# EAGLE board working (EAGLE 7.5.0), part 3 of 8 (continued)
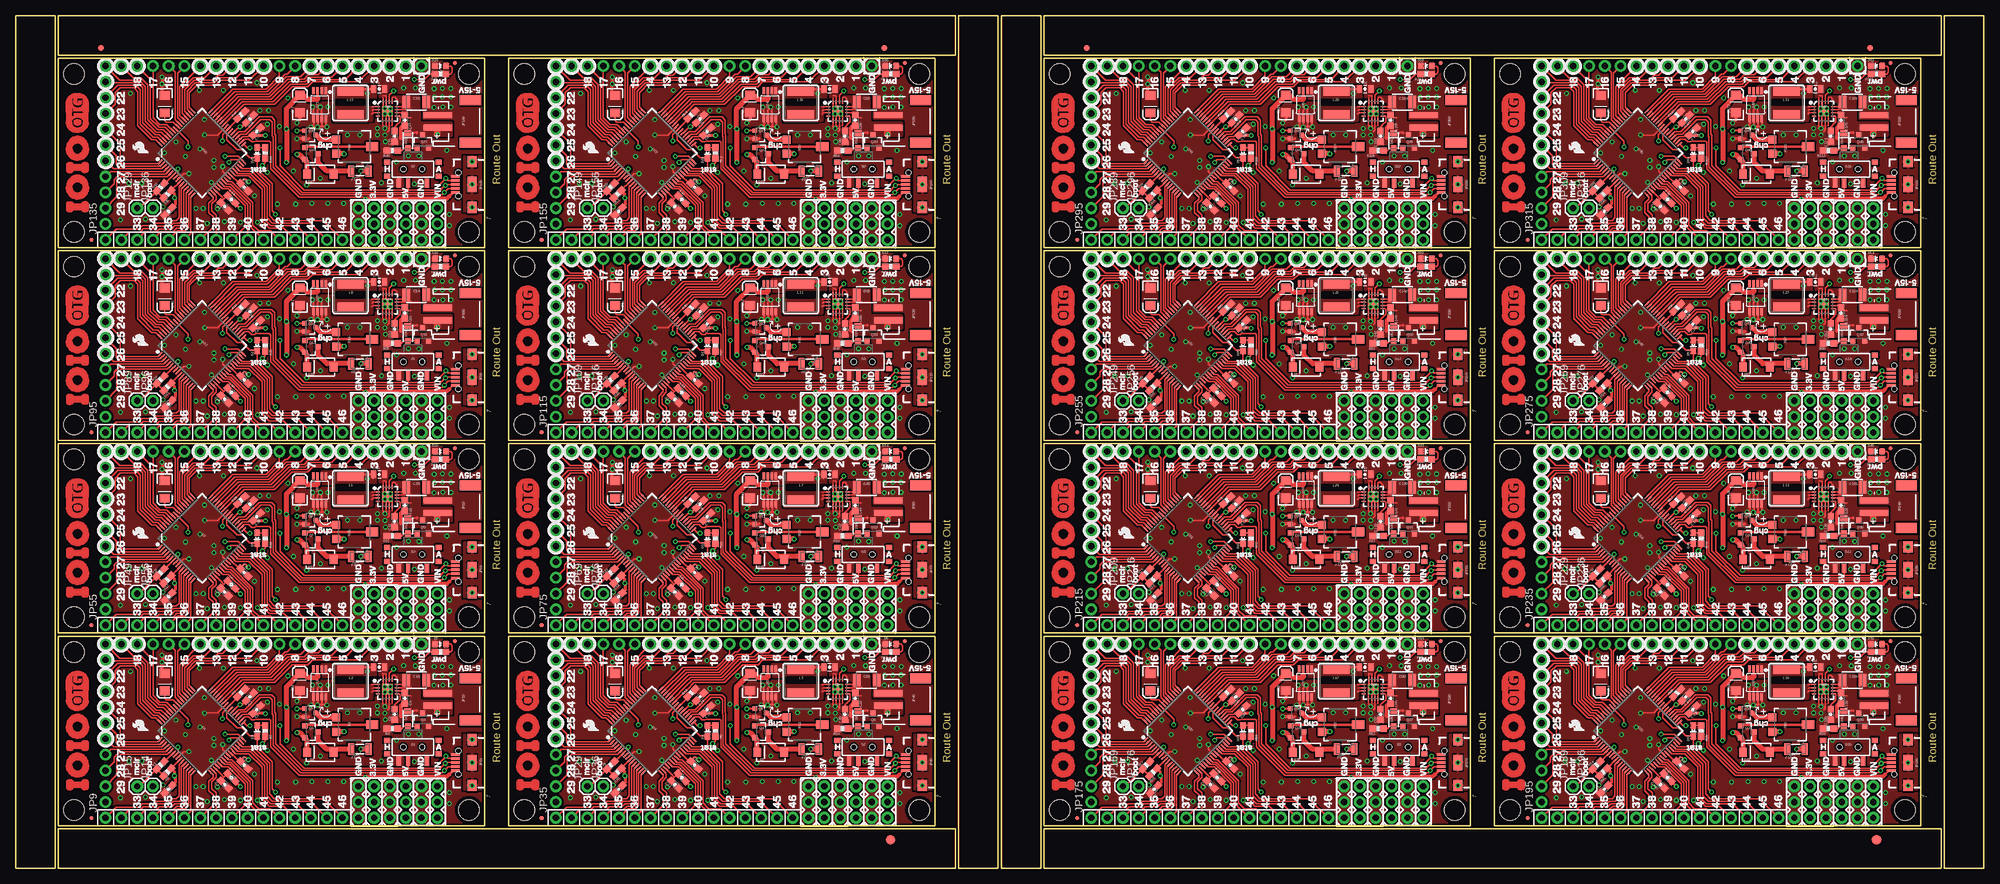
[diagram p0: board, top side]
## Nets (continued)
PIN449: JP192.19 U28.60
PIN450: JP192.6 U28.45
PIN451: JP192.5 U28.44
PIN452: JP192.4 U28.43
PIN453: JP192.3 U28.42
PIN454: JP192.16 U28.55
PIN455: JP192.15 U28.54
PIN456: JP192.14 U28.53
PIN457: JP192.12 U28.51
PIN458: JP192.11 U28.50
PIN459: JP192.10 U28.49
PIN460: JP192.7 U28.46
PIN461: JP212.2 U31.32
PIN462: JP212.1 U31.31
PIN463: JP212.13 U31.52
PIN464: JP211.2 U31.29
PIN465: JP211.5 U31.24
PIN466: JP211.6 U31.23
PIN467: JP211.8 U31.21
PIN468: JP211.16 U31.11
PIN469: JP211.15 U31.12
PIN470: JP211.14 U31.13
PIN471: JP211.13 U31.14
PIN472: JP211.12 U31.15
PIN473: JP211.11 U31.16
PIN474: JP212.9 U31.48
PIN475: JP215.1 U31.8
PIN476: JP215.2 U31.6
PIN477: JP215.3 U31.5
PIN478: JP215.4 U31.4
PIN479: JP211.10 U31.17
PIN480: JP211.9 U31.18
PIN481: JP211.7 U31.22
PIN482: JP211.4 U31.27
PIN483: JP211.3 U31.28
PIN484: JP211.1 U31.30
PIN485: JP212.8 U31.47
PIN486: JP212.18 U31.59
PIN487: JP212.17 U31.58
PIN488: JP215.5 U31.3
PIN489: JP215.6 U31.2
PIN490: JP215.7 U31.1
PIN491: JP215.8 U31.64
PIN492: JP215.9 U31.63
PIN493: JP215.10 U31.62
PIN494: JP215.11 U31.61
PIN495: JP212.19 U31.60
PIN496: JP212.6 U31.45
PIN497: JP212.5 U31.44
PIN498: JP212.4 U31.43
PIN499: JP212.3 U31.42
PIN500: JP212.16 U31.55
PIN501: JP212.15 U31.54
PIN502: JP212.14 U31.53
PIN503: JP212.12 U31.51
PIN504: JP212.11 U31.50
PIN505: JP212.10 U31.49
PIN506: JP212.7 U31.46
PIN507: JP232.2 U34.32
PIN508: JP232.1 U34.31
PIN509: JP232.13 U34.52
PIN510: JP231.2 U34.29
PIN511: JP231.5 U34.24
PIN512: JP231.6 U34.23
PIN513: JP231.8 U34.21
PIN514: JP231.16 U34.11
PIN515: JP231.15 U34.12
PIN516: JP231.14 U34.13
PIN517: JP231.13 U34.14
PIN518: JP231.12 U34.15
PIN519: JP231.11 U34.16
PIN520: JP232.9 U34.48
PIN521: JP235.1 U34.8
PIN522: JP235.2 U34.6
PIN523: JP235.3 U34.5
PIN524: JP235.4 U34.4
PIN525: JP231.10 U34.17
PIN526: JP231.9 U34.18
PIN527: JP231.7 U34.22
PIN528: JP231.4 U34.27
PIN529: JP231.3 U34.28
PIN530: JP231.1 U34.30
PIN531: JP232.8 U34.47
PIN532: JP232.18 U34.59
PIN533: JP232.17 U34.58
PIN534: JP235.5 U34.3
PIN535: JP235.6 U34.2
PIN536: JP235.7 U34.1
PIN537: JP235.8 U34.64
PIN538: JP235.9 U34.63
PIN539: JP235.10 U34.62
PIN540: JP235.11 U34.61
PIN541: JP232.19 U34.60
PIN542: JP232.6 U34.45
PIN543: JP232.5 U34.44
PIN544: JP232.4 U34.43
PIN545: JP232.3 U34.42
PIN546: JP232.16 U34.55
PIN547: JP232.15 U34.54
PIN548: JP232.14 U34.53
PIN549: JP232.12 U34.51
PIN550: JP232.11 U34.50
PIN551: JP232.10 U34.49
PIN552: JP232.7 U34.46
PIN553: JP252.2 U37.32
PIN554: JP252.1 U37.31
PIN555: JP252.13 U37.52
PIN556: JP251.2 U37.29
PIN557: JP251.5 U37.24
PIN558: JP251.6 U37.23
PIN559: JP251.8 U37.21
PIN560: JP251.16 U37.11
PIN561: JP251.15 U37.12
PIN562: JP251.14 U37.13
PIN563: JP251.13 U37.14
PIN564: JP251.12 U37.15
PIN565: JP251.11 U37.16
PIN566: JP252.9 U37.48
PIN567: JP255.1 U37.8
PIN568: JP255.2 U37.6
PIN569: JP255.3 U37.5
PIN570: JP255.4 U37.4
PIN571: JP251.10 U37.17
PIN572: JP251.9 U37.18
PIN573: JP251.7 U37.22
PIN574: JP251.4 U37.27
PIN575: JP251.3 U37.28
PIN576: JP251.1 U37.30
PIN577: JP252.8 U37.47
PIN578: JP252.18 U37.59
PIN579: JP252.17 U37.58
PIN580: JP255.5 U37.3
PIN581: JP255.6 U37.2
PIN582: JP255.7 U37.1
PIN583: JP255.8 U37.64
PIN584: JP255.9 U37.63
PIN585: JP255.10 U37.62
PIN586: JP255.11 U37.61
PIN587: JP252.19 U37.60
PIN588: JP252.6 U37.45
PIN589: JP252.5 U37.44
PIN590: JP252.4 U37.43
PIN591: JP252.3 U37.42
PIN592: JP252.16 U37.55
PIN593: JP252.15 U37.54
PIN594: JP252.14 U37.53
PIN595: JP252.12 U37.51
PIN596: JP252.11 U37.50
PIN597: JP252.10 U37.49
PIN598: JP252.7 U37.46
PIN599: JP272.2 U40.32
PIN600: JP272.1 U40.31
PIN601: JP272.13 U40.52
PIN602: JP271.2 U40.29
PIN603: JP271.5 U40.24
PIN604: JP271.6 U40.23
PIN605: JP271.8 U40.21
PIN606: JP271.16 U40.11
PIN607: JP271.15 U40.12
PIN608: JP271.14 U40.13
PIN609: JP271.13 U40.14
PIN610: JP271.12 U40.15
PIN611: JP271.11 U40.16
PIN612: JP272.9 U40.48
PIN613: JP275.1 U40.8
PIN614: JP275.2 U40.6
PIN615: JP275.3 U40.5
PIN616: JP275.4 U40.4
PIN617: JP271.10 U40.17
PIN618: JP271.9 U40.18
PIN619: JP271.7 U40.22
PIN620: JP271.4 U40.27
PIN621: JP271.3 U40.28
PIN622: JP271.1 U40.30
PIN623: JP272.8 U40.47
PIN624: JP272.18 U40.59
PIN625: JP272.17 U40.58
PIN626: JP275.5 U40.3
PIN627: JP275.6 U40.2
PIN628: JP275.7 U40.1
PIN629: JP275.8 U40.64
PIN630: JP275.9 U40.63
PIN631: JP275.10 U40.62
PIN632: JP275.11 U40.61
PIN633: JP272.19 U40.60
PIN634: JP272.6 U40.45
PIN635: JP272.5 U40.44
PIN636: JP272.4 U40.43
PIN637: JP272.3 U40.42
PIN638: JP272.16 U40.55
PIN639: JP272.15 U40.54
PIN640: JP272.14 U40.53
PIN641: JP272.12 U40.51
PIN642: JP272.11 U40.50
PIN643: JP272.10 U40.49
PIN644: JP272.7 U40.46
PIN645: JP292.2 U43.32
PIN646: JP292.1 U43.31
PIN647: JP292.13 U43.52
PIN648: JP291.2 U43.29
PIN649: JP291.5 U43.24
PIN650: JP291.6 U43.23
PIN651: JP291.8 U43.21
PIN652: JP291.16 U43.11
PIN653: JP291.15 U43.12
PIN654: JP291.14 U43.13
PIN655: JP291.13 U43.14
PIN656: JP291.12 U43.15
PIN657: JP291.11 U43.16
PIN658: JP292.9 U43.48
PIN659: JP295.1 U43.8
PIN660: JP295.2 U43.6
PIN661: JP295.3 U43.5
PIN662: JP295.4 U43.4
PIN663: JP291.10 U43.17
PIN664: JP291.9 U43.18
PIN665: JP291.7 U43.22
PIN666: JP291.4 U43.27
PIN667: JP291.3 U43.28
PIN668: JP291.1 U43.30
PIN669: JP292.8 U43.47
PIN670: JP292.18 U43.59
PIN671: JP292.17 U43.58
PIN672: JP295.5 U43.3
PIN673: JP295.6 U43.2
PIN674: JP295.7 U43.1
PIN675: JP295.8 U43.64
PIN676: JP295.9 U43.63
PIN677: JP295.10 U43.62
PIN678: JP295.11 U43.61
PIN679: JP292.19 U43.60
PIN680: JP292.6 U43.45
PIN681: JP292.5 U43.44
PIN682: JP292.4 U43.43
PIN683: JP292.3 U43.42
PIN684: JP292.16 U43.55
PIN685: JP292.15 U43.54
PIN686: JP292.14 U43.53
PIN687: JP292.12 U43.51
PIN688: JP292.11 U43.50
PIN689: JP292.10 U43.49
PIN690: JP292.7 U43.46
PIN691: JP312.2 U46.32
PIN692: JP312.1 U46.31
PIN693: JP312.13 U46.52
PIN694: JP311.2 U46.29
PIN695: JP311.5 U46.24
PIN696: JP311.6 U46.23
PIN697: JP311.8 U46.21
PIN698: JP311.16 U46.11
PIN699: JP311.15 U46.12
PIN700: JP311.14 U46.13
PIN701: JP311.13 U46.14
PIN702: JP311.12 U46.15
PIN703: JP311.11 U46.16
PIN704: JP312.9 U46.48
PIN705: JP315.1 U46.8
PIN706: JP315.2 U46.6
PIN707: JP315.3 U46.5
PIN708: JP315.4 U46.4
PIN709: JP311.10 U46.17
PIN710: JP311.9 U46.18
PIN711: JP311.7 U46.22
PIN712: JP311.4 U46.27
PIN713: JP311.3 U46.28
PIN714: JP311.1 U46.30
PIN715: JP312.8 U46.47
PIN716: JP312.18 U46.59
PIN717: JP312.17 U46.58
PIN718: JP315.5 U46.3
PIN719: JP315.6 U46.2
PIN720: JP315.7 U46.1
PIN721: JP315.8 U46.64
PIN722: JP315.9 U46.63
PIN723: JP315.10 U46.62
PIN724: JP315.11 U46.61
PIN725: JP312.19 U46.60
PIN726: JP312.6 U46.45
PIN727: JP312.5 U46.44
PIN728: JP312.4 U46.43
PIN729: JP312.3 U46.42
PIN730: JP312.16 U46.55
PIN731: JP312.15 U46.54
PIN732: JP312.14 U46.53
PIN733: JP312.12 U46.51
PIN734: JP312.11 U46.50
PIN735: JP312.10 U46.49
PIN736: JP312.7 U46.46
USBID: JP21.ID1 S1.P TP1.P$1 U1.33
USBID1: JP39.ID1 S2.P TP4.P$1 U4.33
USBID2: JP59.ID1 S3.P TP7.P$1 U7.33
USBID3: JP79.ID1 S4.P TP10.P$1 U10.33
USBID4: JP99.ID1 S5.P TP13.P$1 U13.33
USBID5: JP119.ID1 S6.P TP16.P$1 U16.33
USBID6: JP139.ID1 S7.P TP19.P$1 U19.33
USBID7: JP159.ID1 S8.P TP22.P$1 U22.33
USBID8: JP179.ID1 S9.P TP25.P$1 U25.33
USBID9: JP199.ID1 S10.P TP28.P$1 U28.33
USBID10: JP219.ID1 S11.P TP31.P$1 U31.33
USBID11: JP239.ID1 S12.P TP34.P$1 U34.33
USBID12: JP259.ID1 S13.P TP37.P$1 U37.33
USBID13: JP279.ID1 S14.P TP40.P$1 U40.33
USBID14: JP299.ID1 S15.P TP43.P$1 U43.33
USBID15: JP319.ID1 S16.P TP46.P$1 U46.33
VBUS: F1.1 JP21.VBUS1 U1.34
VBUS1: F2.1 JP39.VBUS1 U4.34
VBUS2: F3.1 JP59.VBUS1 U7.34
VBUS3: F4.1 JP79.VBUS1 U10.34
VBUS4: F5.1 JP99.VBUS1 U13.34
VBUS5: F6.1 JP119.VBUS1 U16.34
VBUS6: F7.1 JP139.VBUS1 U19.34
VBUS7: F8.1 JP159.VBUS1 U22.34
VBUS8: F9.1 JP179.VBUS1 U25.34
VBUS9: F10.1 JP199.VBUS1 U28.34
VBUS10: F11.1 JP219.VBUS1 U31.34
VBUS11: F12.1 JP239.VBUS1 U34.34
VBUS12: F13.1 JP259.VBUS1 U37.34
VBUS13: F14.1 JP279.VBUS1 U40.34
VBUS14: F15.1 JP299.VBUS1 U43.34
VBUS15: F16.1 JP319.VBUS1 U46.34
VIN: C9.1 C11.1 D2.C JP1.1 JP1.2 JP1.3 JP19.2 Q3.3 U2.10 U2.11 U2.12 U2.13
VIN1: C21.1 C22.1 D8.C JP33.1 JP33.2 JP33.3 JP40.2 Q6.3 U5.10 U5.11 U5.12 U5.13
VIN2: C32.1 C33.1 D12.C JP53.1 JP53.2 JP53.3 JP60.2 Q9.3 U8.10 U8.11 U8.12 U8.13
VIN3: C43.1 C44.1 D16.C JP73.1 JP73.2 JP73.3 JP80.2 Q12.3 U11.10 U11.11 U11.12 U11.13
VIN4: C54.1 C55.1 D20.C JP93.1 JP93.2 JP93.3 JP100.2 Q15.3 U14.10 U14.11 U14.12 U14.13
VIN5: C65.1 C66.1 D24.C JP113.1 JP113.2 JP113.3 JP120.2 Q18.3 U17.10 U17.11 U17.12 U17.13
VIN6: C76.1 C77.1 D28.C JP133.1 JP133.2 JP133.3 JP140.2 Q21.3 U20.10 U20.11 U20.12 U20.13
VIN7: C87.1 C88.1 D32.C JP153.1 JP153.2 JP153.3 JP160.2 Q24.3 U23.10 U23.11 U23.12 U23.13
VIN8: C98.1 C99.1 D36.C JP173.1 JP173.2 JP173.3 JP180.2 Q27.3 U26.10 U26.11 U26.12 U26.13
VIN9: C109.1 C110.1 D40.C JP193.1 JP193.2 JP193.3 JP200.2 Q30.3 U29.10 U29.11 U29.12 U29.13
VIN10: C120.1 C121.1 D44.C JP213.1 JP213.2 JP213.3 JP220.2 Q33.3 U32.10 U32.11 U32.12 U32.13
VIN11: C131.1 C132.1 D48.C JP233.1 JP233.2 JP233.3 JP240.2 Q36.3 U35.10 U35.11 U35.12 U35.13
VIN12: C142.1 C143.1 D52.C JP253.1 JP253.2 JP253.3 JP260.2 Q39.3 U38.10 U38.11 U38.12 U38.13
VIN13: C153.1 C154.1 D56.C JP273.1 JP273.2 JP273.3 JP280.2 Q42.3 U41.10 U41.11 U41.12 U41.13
VIN14: C164.1 C165.1 D60.C JP293.1 JP293.2 JP293.3 JP300.2 Q45.3 U44.10 U44.11 U44.12 U44.13
VIN15: C175.1 C176.1 D64.C JP313.1 JP313.2 JP313.3 JP320.2 Q48.3 U47.10 U47.11 U47.12 U47.13

## Tracks (layer width: path | path; a pad name or v marks a point on that pad's centre or on a via)
3.3V  (via drill 0.38 pad 0.64)
  Top 0.203: U1.38 35.96,26.31 v36.09,26.31 | 38,24.77 C5.1 | U1.57 27.74,23.98 v27.74,23.09 | U1.10 R1.2 | v37.47,17.45 37.03,17.88 36.68,17.88 36.18,17.38 C3.1 35.92,17.21 U1.26 | R7.2 40.13,20.52 v39.67,20.07 | 38.53,24.89 38.47,24.95 C5.1 | U1.35 36.5,24.74 37.41,24.74 | 37.41,24.74 37.44,24.77 | 37.57,24.89 37.41,24.74 | 37.62,24.94 37.57,24.89 | 37.57,24.89 | 37.57,24.89 37.63,24.95 C5.1 | 48.57,31.43 48.56,31.42 48.56,30.99
  Top 0.406: U3.3 48.57,31.43
  Top 0.508: 40.18,21.4 arc90 R7.2 | v40.16,24.89 38.53,24.89 | v36.09,26.31 36.4,26.31 C2.1 | R1.2 25.55,15.53 v25.55,14.88 25.73,14.71 25.73,13.87 C4.1 | L1.2 35.33,13.97 v36.14,13.16
  Top 0.813: 48.56,31.11 48.56,30.99 48.56,30.73 46.99,30.73 46.35,31.37 C10.A | C10.A 45.72,31.1 | C10.A 43.58,29.23 v43.58,25.96 43.58,20.59 v43.56,20.57
  Bottom 0.254: 37.85,18.54 37.74,18.54 37.64,18.64 37.36,18.64
  Bottom 0.508: v43.56,20.57 arc90 43.46,20.68 | 29.69,19.46 29.69,18.64 | 29.69,19.46 30.41,18.75 30.53,18.75 | v43.58,25.96 42.51,24.89 v40.16,24.89 37.52,24.89 v36.09,26.31 | 35.31,18.54 35.41,18.64 | 35.81,18.54 35.92,18.54 | 29.69,19.46 29.69,21.13 v27.74,23.09 | 36.09,18.64 37.36,18.64 37.47,18.54 v37.47,17.45 | 35.92,18.54 35.92,18.64 35.99,18.64 | 38.76,19.15 39.52,19.91 | v36.14,13.16 36.14,18.54 35.92,18.54
  Bottom 0.813: JP2.3 JP2.2 JP2.1 57.66,19.2 56.28,20.57 v43.56,20.57 40.18,20.57 v39.67,20.07 39.52,19.91 38.25,18.64 37.36,18.64 35.99,18.64 35.41,18.64 29.69,18.64 29.31,18.64 v25.55,14.88
3.3V1  (via drill 0.38 pad 0.64)
  Top 0.203: U4.38 108.35,26.31 v108.48,26.31 | 110.39,24.77 C17.1 | U4.57 100.13,23.98 v100.13,23.09 | U4.10 R5.2 | v109.86,17.45 109.42,17.88 109.07,17.88 108.57,17.38 C14.1 108.31,17.21 U4.26 | R6.2 112.52,20.52 v112.06,20.07 | 110.92,24.89 110.86,24.95 C17.1 | U4.35 108.89,24.74 109.8,24.74 | 109.8,24.74 109.83,24.77 | 109.96,24.89 109.81,24.74 109.8,24.74 | 110.01,24.94 109.96,24.89 | 109.96,24.89 | 109.96,24.89 110.02,24.95 C17.1 | 120.96,31.43 120.95,31.42 120.95,30.99
  Top 0.406: U6.3 120.96,31.43
  Top 0.508: 112.57,21.4 arc90 R6.2 | v112.55,24.89 110.92,24.89 | v108.48,26.31 108.79,26.31 C13.1 | R5.2 97.94,15.53 v97.94,14.88 98.12,14.71 98.12,13.87 C15.1 | L4.2 107.72,13.97 v108.53,13.16
  Top 0.813: 120.95,31.11 120.95,30.99 120.95,30.73 119.38,30.73 118.74,31.37 C18.A | C18.A 118.11,31.1 | C18.A 115.97,29.23 v115.97,25.96 115.97,20.59 v115.95,20.57
  Bottom 0.254: 110.24,18.54 110.13,18.54 110.03,18.64 109.75,18.64
  Bottom 0.508: v115.95,20.57 arc90 115.85,20.68 | 102.08,19.46 102.08,18.64 | 102.08,19.46 102.8,18.75 102.92,18.75 | v115.97,25.96 114.9,24.89 v112.55,24.89 109.91,24.89 v108.48,26.31 | 107.7,18.54 107.8,18.64 | 108.2,18.54 108.31,18.54 | 102.08,19.46 102.08,21.13 v100.13,23.09 | 108.48,18.64 109.75,18.64 109.86,18.54 v109.86,17.45 | 108.31,18.54 108.31,18.64 108.38,18.64 | 111.15,19.15 111.91,19.91 | v108.53,13.16 108.53,18.54 108.31,18.54
  Bottom 0.813: JP18.3 JP18.2 JP18.1 130.05,19.2 128.67,20.57 v115.95,20.57 112.57,20.57 v112.06,20.07 111.91,19.91 110.64,18.64 109.75,18.64 108.38,18.64 107.8,18.64 102.08,18.64 101.7,18.64 v97.94,14.88
3.3V2  (via drill 0.38 pad 0.64)
  Top 0.203: U7.38 35.96,57.3 v36.09,57.3 | 38,55.75 C28.1 | U7.57 27.74,54.97 v27.74,54.08 | U7.10 R15.2 | v37.47,48.44 37.03,48.87 36.68,48.87 36.18,48.37 C25.1 35.92,48.2 U7.26 | R16.2 40.13,51.51 v39.67,51.05 | 38.53,55.88 38.47,55.94 C28.1 | U7.35 36.5,55.73 37.41,55.73 | 37.41,55.73 37.44,55.75 | 37.57,55.88 37.41,55.73 | 37.62,55.93 37.57,55.88 | 37.57,55.88 | 37.57,55.88 37.63,55.94 C28.1 | 48.57,62.41 48.56,62.41 48.56,61.98
  Top 0.406: U9.3 48.57,62.41
  Top 0.508: 40.18,52.38 arc90 R16.2 | v40.16,55.88 38.53,55.88 | v36.09,57.3 36.4,57.3 C24.1 | R15.2 25.55,46.52 v25.55,45.87 25.73,45.7 25.73,44.85 C26.1 | L6.2 35.33,44.96 v36.14,44.15
  Top 0.813: 48.56,62.1 48.56,61.98 48.56,61.72 46.99,61.72 46.35,62.36 C29.A | C29.A 45.72,62.09 | C29.A 43.58,60.22 v43.58,56.95 43.58,51.58 v43.56,51.56
  Bottom 0.254: 37.85,49.53 37.74,49.53 37.64,49.63 37.36,49.63
  Bottom 0.508: v43.56,51.56 arc90 43.46,51.66 | 29.69,50.45 29.69,49.63 | 29.69,50.45 30.41,49.73 30.53,49.73 | v43.58,56.95 42.51,55.88 v40.16,55.88 37.52,55.88 v36.09,57.3 | 35.31,49.53 35.41,49.63 | 35.81,49.53 35.92,49.53 | 29.69,50.45 29.69,52.12 v27.74,54.08 | 36.09,49.63 37.36,49.63 37.47,49.53 v37.47,48.44 | 35.92,49.53 35.92,49.63 35.99,49.63 | 38.76,50.14 39.52,50.9 | v36.14,44.15 36.14,49.53 35.92,49.53
  Bottom 0.813: JP41.3 JP41.2 JP41.1 57.66,50.19 56.28,51.56 v43.56,51.56 40.18,51.56 v39.67,51.05 39.52,50.9 38.25,49.63 37.36,49.63 35.99,49.63 35.41,49.63 29.69,49.63 29.31,49.63 v25.55,45.87
3.3V3  (via drill 0.38 pad 0.64)
  Top 0.203: U10.38 108.35,57.3 v108.48,57.3 | 110.39,55.75 C39.1 | U10.57 100.13,54.97 v100.13,54.08 | U10.10 R22.2 | v109.86,48.44 109.42,48.87 109.07,48.87 108.57,48.37 C36.1 108.31,48.2 U10.26 | R23.2 112.52,51.51 v112.06,51.05 | 110.92,55.88 110.86,55.94 C39.1 | U10.35 108.89,55.73 109.8,55.73 | 109.8,55.73 109.83,55.75 | 109.96,55.88 109.81,55.73 109.8,55.73 | 110.01,55.93 109.96,55.88 | 109.96,55.88 | 109.96,55.88 110.02,55.94 C39.1 | 120.96,62.41 120.95,62.41 120.95,61.98
  Top 0.406: U12.3 120.96,62.41
  Top 0.508: 112.57,52.38 arc90 R23.2 | v112.55,55.88 110.92,55.88 | v108.48,57.3 108.79,57.3 C35.1 | R22.2 97.94,46.52 v97.94,45.87 98.12,45.7 98.12,44.85 C37.1 | L8.2 107.72,44.96 v108.53,44.15
  Top 0.813: 120.95,62.1 120.95,61.98 120.95,61.72 119.38,61.72 118.74,62.36 C40.A | C40.A 118.11,62.09 | C40.A 115.97,60.22 v115.97,56.95 115.97,51.58 v115.95,51.56
  Bottom 0.254: 110.24,49.53 110.13,49.53 110.03,49.63 109.75,49.63
  Bottom 0.508: v115.95,51.56 arc90 115.85,51.66 | 102.08,50.45 102.08,49.63 | 102.08,50.45 102.8,49.73 102.92,49.73 | v115.97,56.95 114.9,55.88 v112.55,55.88 109.91,55.88 v108.48,57.3 | 107.7,49.53 107.8,49.63 | 108.2,49.53 108.31,49.53 | 102.08,50.45 102.08,52.12 v100.13,54.08 | 108.48,49.63 109.75,49.63 109.86,49.53 v109.86,48.44 | 108.31,49.53 108.31,49.63 108.38,49.63 | 111.15,50.14 111.91,50.9 | v108.53,44.15 108.53,49.53 108.31,49.53
  Bottom 0.813: JP61.3 JP61.2 JP61.1 130.05,50.19 128.67,51.56 v115.95,51.56 112.57,51.56 v112.06,51.05 111.91,50.9 110.64,49.63 109.75,49.63 108.38,49.63 107.8,49.63 102.08,49.63 101.7,49.63 v97.94,45.87
3.3V4  (via drill 0.38 pad 0.64)
  Top 0.203: U13.38 35.96,88.29 v36.09,88.29 | 38,86.74 C50.1 | U13.57 27.74,85.96 v27.74,85.06 | U13.10 R29.2 | v37.47,79.43 37.03,79.86 36.68,79.86 36.18,79.36 C47.1 35.92,79.19 U13.26 | R30.2 40.13,82.5 v39.67,82.04 | 38.53,86.87 38.47,86.93 C50.1 | U13.35 36.5,86.72 37.41,86.72 | 37.41,86.72 37.44,86.74 | 37.57,86.87 37.41,86.72 | 37.62,86.92 37.57,86.87 | 37.57,86.87 | 37.57,86.87 37.63,86.93 C50.1 | 48.57,93.4 48.56,93.4 48.56,92.96
  Top 0.406: U15.3 48.57,93.4
  Top 0.508: 40.18,83.37 arc90 R30.2 | v40.16,86.87 38.53,86.87 | v36.09,88.29 36.4,88.29 C46.1 | R29.2 25.55,77.5 v25.55,76.86 25.73,76.68 25.73,75.84 C48.1 | L10.2 35.33,75.95 v36.14,75.13
  Top 0.813: 48.56,93.09 48.56,92.96 48.56,92.71 46.99,92.71 46.35,93.35 C51.A | C51.A 45.72,93.08 | C51.A 43.58,91.2 v43.58,87.94 43.58,82.56 v43.56,82.55
  Bottom 0.254: 37.85,80.52 37.74,80.52 37.64,80.62 37.36,80.62
  Bottom 0.508: v43.56,82.55 arc90 43.46,82.65 | 29.69,81.43 29.69,80.62 | 29.69,81.43 30.41,80.72 30.53,80.72 | v43.58,87.94 42.51,86.87 v40.16,86.87 37.52,86.87 v36.09,88.29 | 35.31,80.52 35.41,80.62 | 35.81,80.52 35.92,80.52 | 29.69,81.43 29.69,83.11 v27.74,85.06 | 36.09,80.62 37.36,80.62 37.47,80.52 v37.47,79.43 | 35.92,80.52 35.92,80.62 35.99,80.62 | 38.76,81.13 39.52,81.89 | v36.14,75.13 36.14,80.52 35.92,80.52
  Bottom 0.813: JP81.3 JP81.2 JP81.1 57.66,81.18 56.28,82.55 v43.56,82.55 40.18,82.55 v39.67,82.04 39.52,81.89 38.25,80.62 37.36,80.62 35.99,80.62 35.41,80.62 29.69,80.62 29.31,80.62 v25.55,76.86
3.3V5  (via drill 0.38 pad 0.64)
  Top 0.203: U16.38 108.35,88.29 v108.48,88.29 | 110.39,86.74 C61.1 | U16.57 100.13,85.96 v100.13,85.06 | U16.10 R36.2 | v109.86,79.43 109.42,79.86 109.07,79.86 108.57,79.36 C58.1 108.31,79.19 U16.26 | R37.2 112.52,82.5 v112.06,82.04 | 110.92,86.87 110.86,86.93 C61.1 | U16.35 108.89,86.72 109.8,86.72 | 109.8,86.72 109.83,86.74 | 109.96,86.87 109.81,86.72 109.8,86.72 | 110.01,86.92 109.96,86.87 | 109.96,86.87 | 109.96,86.87 110.02,86.93 C61.1 | 120.96,93.4 120.95,93.4 120.95,92.96
  Top 0.406: U18.3 120.96,93.4
  Top 0.508: 112.57,83.37 arc90 R37.2 | v112.55,86.87 110.92,86.87 | v108.48,88.29 108.79,88.29 C57.1 | R36.2 97.94,77.5 v97.94,76.86 98.12,76.68 98.12,75.84 C59.1 | L12.2 107.72,75.95 v108.53,75.13
  Top 0.813: 120.95,93.09 120.95,92.96 120.95,92.71 119.38,92.71 118.74,93.35 C62.A | C62.A 118.11,93.08 | C62.A 115.97,91.2 v115.97,87.94 115.97,82.56 v115.95,82.55
  Bottom 0.254: 110.24,80.52 110.13,80.52 110.03,80.62 109.75,80.62
  Bottom 0.508: v115.95,82.55 arc90 115.85,82.65 | 102.08,81.43 102.08,80.62 | 102.08,81.43 102.8,80.72 102.92,80.72 | v115.97,87.94 114.9,86.87 v112.55,86.87 109.91,86.87 v108.48,88.29 | 107.7,80.52 107.8,80.62 | 108.2,80.52 108.31,80.52 | 102.08,81.43 102.08,83.11 v100.13,85.06 | 108.48,80.62 109.75,80.62 109.86,80.52 v109.86,79.43 | 108.31,80.52 108.31,80.62 108.38,80.62 | 111.15,81.13 111.91,81.89 | v108.53,75.13 108.53,80.52 108.31,80.52
  Bottom 0.813: JP101.3 JP101.2 JP101.1 130.05,81.18 128.67,82.55 v115.95,82.55 112.57,82.55 v112.06,82.04 111.91,81.89 110.64,80.62 109.75,80.62 108.38,80.62 107.8,80.62 102.08,80.62 101.7,80.62 v97.94,76.86
3.3V6  (via drill 0.38 pad 0.64)
  Top 0.203: U19.38 35.96,119.28 v36.09,119.28 | 38,117.73 C72.1 | U19.57 27.74,116.94 v27.74,116.05 | U19.10 R43.2 | v37.47,110.41 37.03,110.85 36.68,110.85 36.18,110.35 C69.1 35.92,110.18 U19.26 | R44.2 40.13,113.49 v39.67,113.03 | 38.53,117.86 38.47,117.92 C72.1 | U19.35 36.5,117.7 37.41,117.7 | 37.41,117.7 37.44,117.73 | 37.57,117.86 37.41,117.7 | 37.62,117.91 37.57,117.86 | 37.57,117.86 | 37.57,117.86 37.63,117.92 C72.1 | 48.57,124.39 48.56,124.38 48.56,123.95
  Top 0.406: U21.3 48.57,124.39
  Top 0.508: 40.18,114.36 arc90 R44.2 | v40.16,117.86 38.53,117.86 | v36.09,119.28 36.4,119.28 C68.1 | R43.2 25.55,108.49 v25.55,107.85 25.73,107.67 25.73,106.83 C70.1 | L14.2 35.33,106.93 v36.14,106.12
  Top 0.813: 48.56,124.08 48.56,123.95 48.56,123.7 46.99,123.7 46.35,124.34 C73.A | C73.A 45.72,124.06 | C73.A 43.58,122.19 v43.58,118.92 43.58,113.55 v43.56,113.54
  Bottom 0.254: 37.85,111.51 37.74,111.51 37.64,111.61 37.36,111.61
  Bottom 0.508: v43.56,113.54 arc90 43.46,113.64 | 29.69,112.42 29.69,111.61 | 29.69,112.42 30.41,111.71 30.53,111.71 | v43.58,118.92 42.51,117.86 v40.16,117.86 37.52,117.86 v36.09,119.28 | 35.31,111.51 35.41,111.61 | 35.81,111.51 35.92,111.51 | 29.69,112.42 29.69,114.1 v27.74,116.05 | 36.09,111.61 37.36,111.61 37.47,111.51 v37.47,110.41 | 35.92,111.51 35.92,111.61 35.99,111.61 | 38.76,112.12 39.52,112.88 | v36.14,106.12 36.14,111.51 35.92,111.51
  Bottom 0.813: JP121.3 JP121.2 JP121.1 57.66,112.16 56.28,113.54 v43.56,113.54 40.18,113.54 v39.67,113.03 39.52,112.88 38.25,111.61 37.36,111.61 35.99,111.61 35.41,111.61 29.69,111.61 29.31,111.61 v25.55,107.85
3.3V7  (via drill 0.38 pad 0.64)
  Top 0.203: U22.38 108.35,119.28 v108.48,119.28 | 110.39,117.73 C83.1 | U22.57 100.13,116.94 v100.13,116.05 | U22.10 R50.2 | v109.86,110.41 109.42,110.85 109.07,110.85 108.57,110.35 C80.1 108.31,110.18 U22.26 | R51.2 112.52,113.49 v112.06,113.03 | 110.92,117.86 110.86,117.92 C83.1 | U22.35 108.89,117.7 109.8,117.7 | 109.8,117.7 109.83,117.73 | 109.96,117.86 109.81,117.7 109.8,117.7 | 110.01,117.91 109.96,117.86 | 109.96,117.86 | 109.96,117.86 110.02,117.92 C83.1 | 120.96,124.39 120.95,124.38 120.95,123.95
  Top 0.406: U24.3 120.96,124.39
  Top 0.508: 112.57,114.36 arc90 R51.2 | v112.55,117.86 110.92,117.86 | v108.48,119.28 108.79,119.28 C79.1 | R50.2 97.94,108.49 v97.94,107.85 98.12,107.67 98.12,106.83 C81.1 | L16.2 107.72,106.93 v108.53,106.12
  Top 0.813: 120.95,124.08 120.95,123.95 120.95,123.7 119.38,123.7 118.74,124.34 C84.A | C84.A 118.11,124.06 | C84.A 115.97,122.19 v115.97,118.92 115.97,113.55 v115.95,113.54
  Bottom 0.254: 110.24,111.51 110.13,111.51 110.03,111.61 109.75,111.61
  Bottom 0.508: v115.95,113.54 arc90 115.85,113.64 | 102.08,112.42 102.08,111.61 | 102.08,112.42 102.8,111.71 102.92,111.71 | v115.97,118.92 114.9,117.86 v112.55,117.86 109.91,117.86 v108.48,119.28 | 107.7,111.51 107.8,111.61 | 108.2,111.51 108.31,111.51 | 102.08,112.42 102.08,114.1 v100.13,116.05 | 108.48,111.61 109.75,111.61 109.86,111.51 v109.86,110.41 | 108.31,111.51 108.31,111.61 108.38,111.61 | 111.15,112.12 111.91,112.88 | v108.53,106.12 108.53,111.51 108.31,111.51
  Bottom 0.813: JP141.3 JP141.2 JP141.1 130.05,112.16 128.67,113.54 v115.95,113.54 112.57,113.54 v112.06,113.03 111.91,112.88 110.64,111.61 109.75,111.61 108.38,111.61 107.8,111.61 102.08,111.61 101.7,111.61 v97.94,107.85
3.3V8  (via drill 0.38 pad 0.64)
  Top 0.203: U25.38 194.45,26.31 v194.59,26.31 | 196.49,24.77 C94.1 | U25.57 186.23,23.98 v186.23,23.09 | U25.10 R57.2 | v195.96,17.45 195.53,17.88 195.17,17.88 194.67,17.38 C91.1 194.41,17.21 U25.26 | R58.2 198.63,20.52 v198.17,20.07 | 197.02,24.89 196.96,24.95 C94.1 | U25.35 195,24.74 195.91,24.74 | 195.91,24.74 195.94,24.77 | 196.06,24.89 195.91,24.74 | 196.11,24.94 196.06,24.89 | 196.06,24.89 | 196.06,24.89 196.12,24.95 C94.1 | 207.07,31.43 207.06,31.42 207.06,30.99
  Top 0.406: U27.3 207.07,31.43
  Top 0.508: 198.68,21.4 arc90 R58.2 | v198.65,24.89 197.02,24.89 | v194.59,26.31 194.89,26.31 C90.1 | R57.2 184.05,15.53 v184.05,14.88 184.23,14.71 184.23,13.87 C92.1 | L18.2 193.83,13.97 v194.64,13.16
  Top 0.813: 207.06,31.11 207.06,30.99 207.06,30.73 205.49,30.73 204.85,31.37 C95.A | C95.A 204.22,31.1 | C95.A 202.07,29.23 v202.07,25.96 202.07,20.59 v202.06,20.57
  Bottom 0.254: 196.34,18.54 196.24,18.54 196.14,18.64 195.86,18.64
  Bottom 0.508: v202.06,20.57 arc90 201.96,20.68 | 188.19,19.46 188.19,18.64 | 188.19,19.46 188.9,18.75 189.03,18.75 | v202.07,25.96 201,24.89 v198.65,24.89 196.01,24.89 v194.59,26.31 | 193.8,18.54 193.9,18.64 | 194.31,18.54 194.41,18.54 | 188.19,19.46 188.19,21.13 v186.23,23.09 | 194.59,18.64 195.86,18.64 195.96,18.54 v195.96,17.45 | 194.41,18.54 194.41,18.64 194.49,18.64 | 197.26,19.15 198.02,19.91 | v194.64,13.16 194.64,18.54 194.41,18.54
  Bottom 0.813: JP161.3 JP161.2 JP161.1 216.15,19.2 214.78,20.57 v202.06,20.57 198.68,20.57 v198.17,20.07 198.02,19.91 196.75,18.64 195.86,18.64 194.49,18.64 193.9,18.64 188.19,18.64 187.81,18.64 v184.05,14.88
3.3V9  (via drill 0.38 pad 0.64)
  Top 0.203: U28.38 266.84,26.31 v266.98,26.31 | 268.88,24.77 C105.1 | U28.57 258.62,23.98 v258.62,23.09 | U28.10 R64.2 | v268.35,17.45 267.92,17.88 267.56,17.88 267.06,17.38 C102.1 266.8,17.21 U28.26 | R65.2 271.02,20.52 v270.56,20.07 | 269.41,24.89 269.35,24.95 C105.1 | U28.35 267.39,24.74 268.3,24.74 | 268.3,24.74 268.32,24.77 | 268.45,24.89 268.3,24.74 | 268.5,24.94 268.45,24.89 | 268.45,24.89 | 268.45,24.89 268.51,24.95 C105.1 | 279.46,31.43 279.45,31.42 279.45,30.99
  Top 0.406: U30.3 279.46,31.43
  Top 0.508: 271.07,21.4 arc90 R65.2 | v271.04,24.89 269.41,24.89 | v266.98,26.31 267.28,26.31 C101.1 | R64.2 256.44,15.53 v256.44,14.88 256.62,14.71 256.62,13.87 C103.1 | L20.2 266.22,13.97 v267.03,13.16
  Top 0.813: 279.45,31.11 279.45,30.99 279.45,30.73 277.88,30.73 277.24,31.37 C106.A | C106.A 276.61,31.1 | C106.A 274.46,29.23 v274.46,25.96 274.46,20.59 v274.45,20.57
  Bottom 0.254: 268.73,18.54 268.63,18.54 268.53,18.64 268.25,18.64